# Altium PCB IPG.PcbDoc (part 4 of 10) (continued)
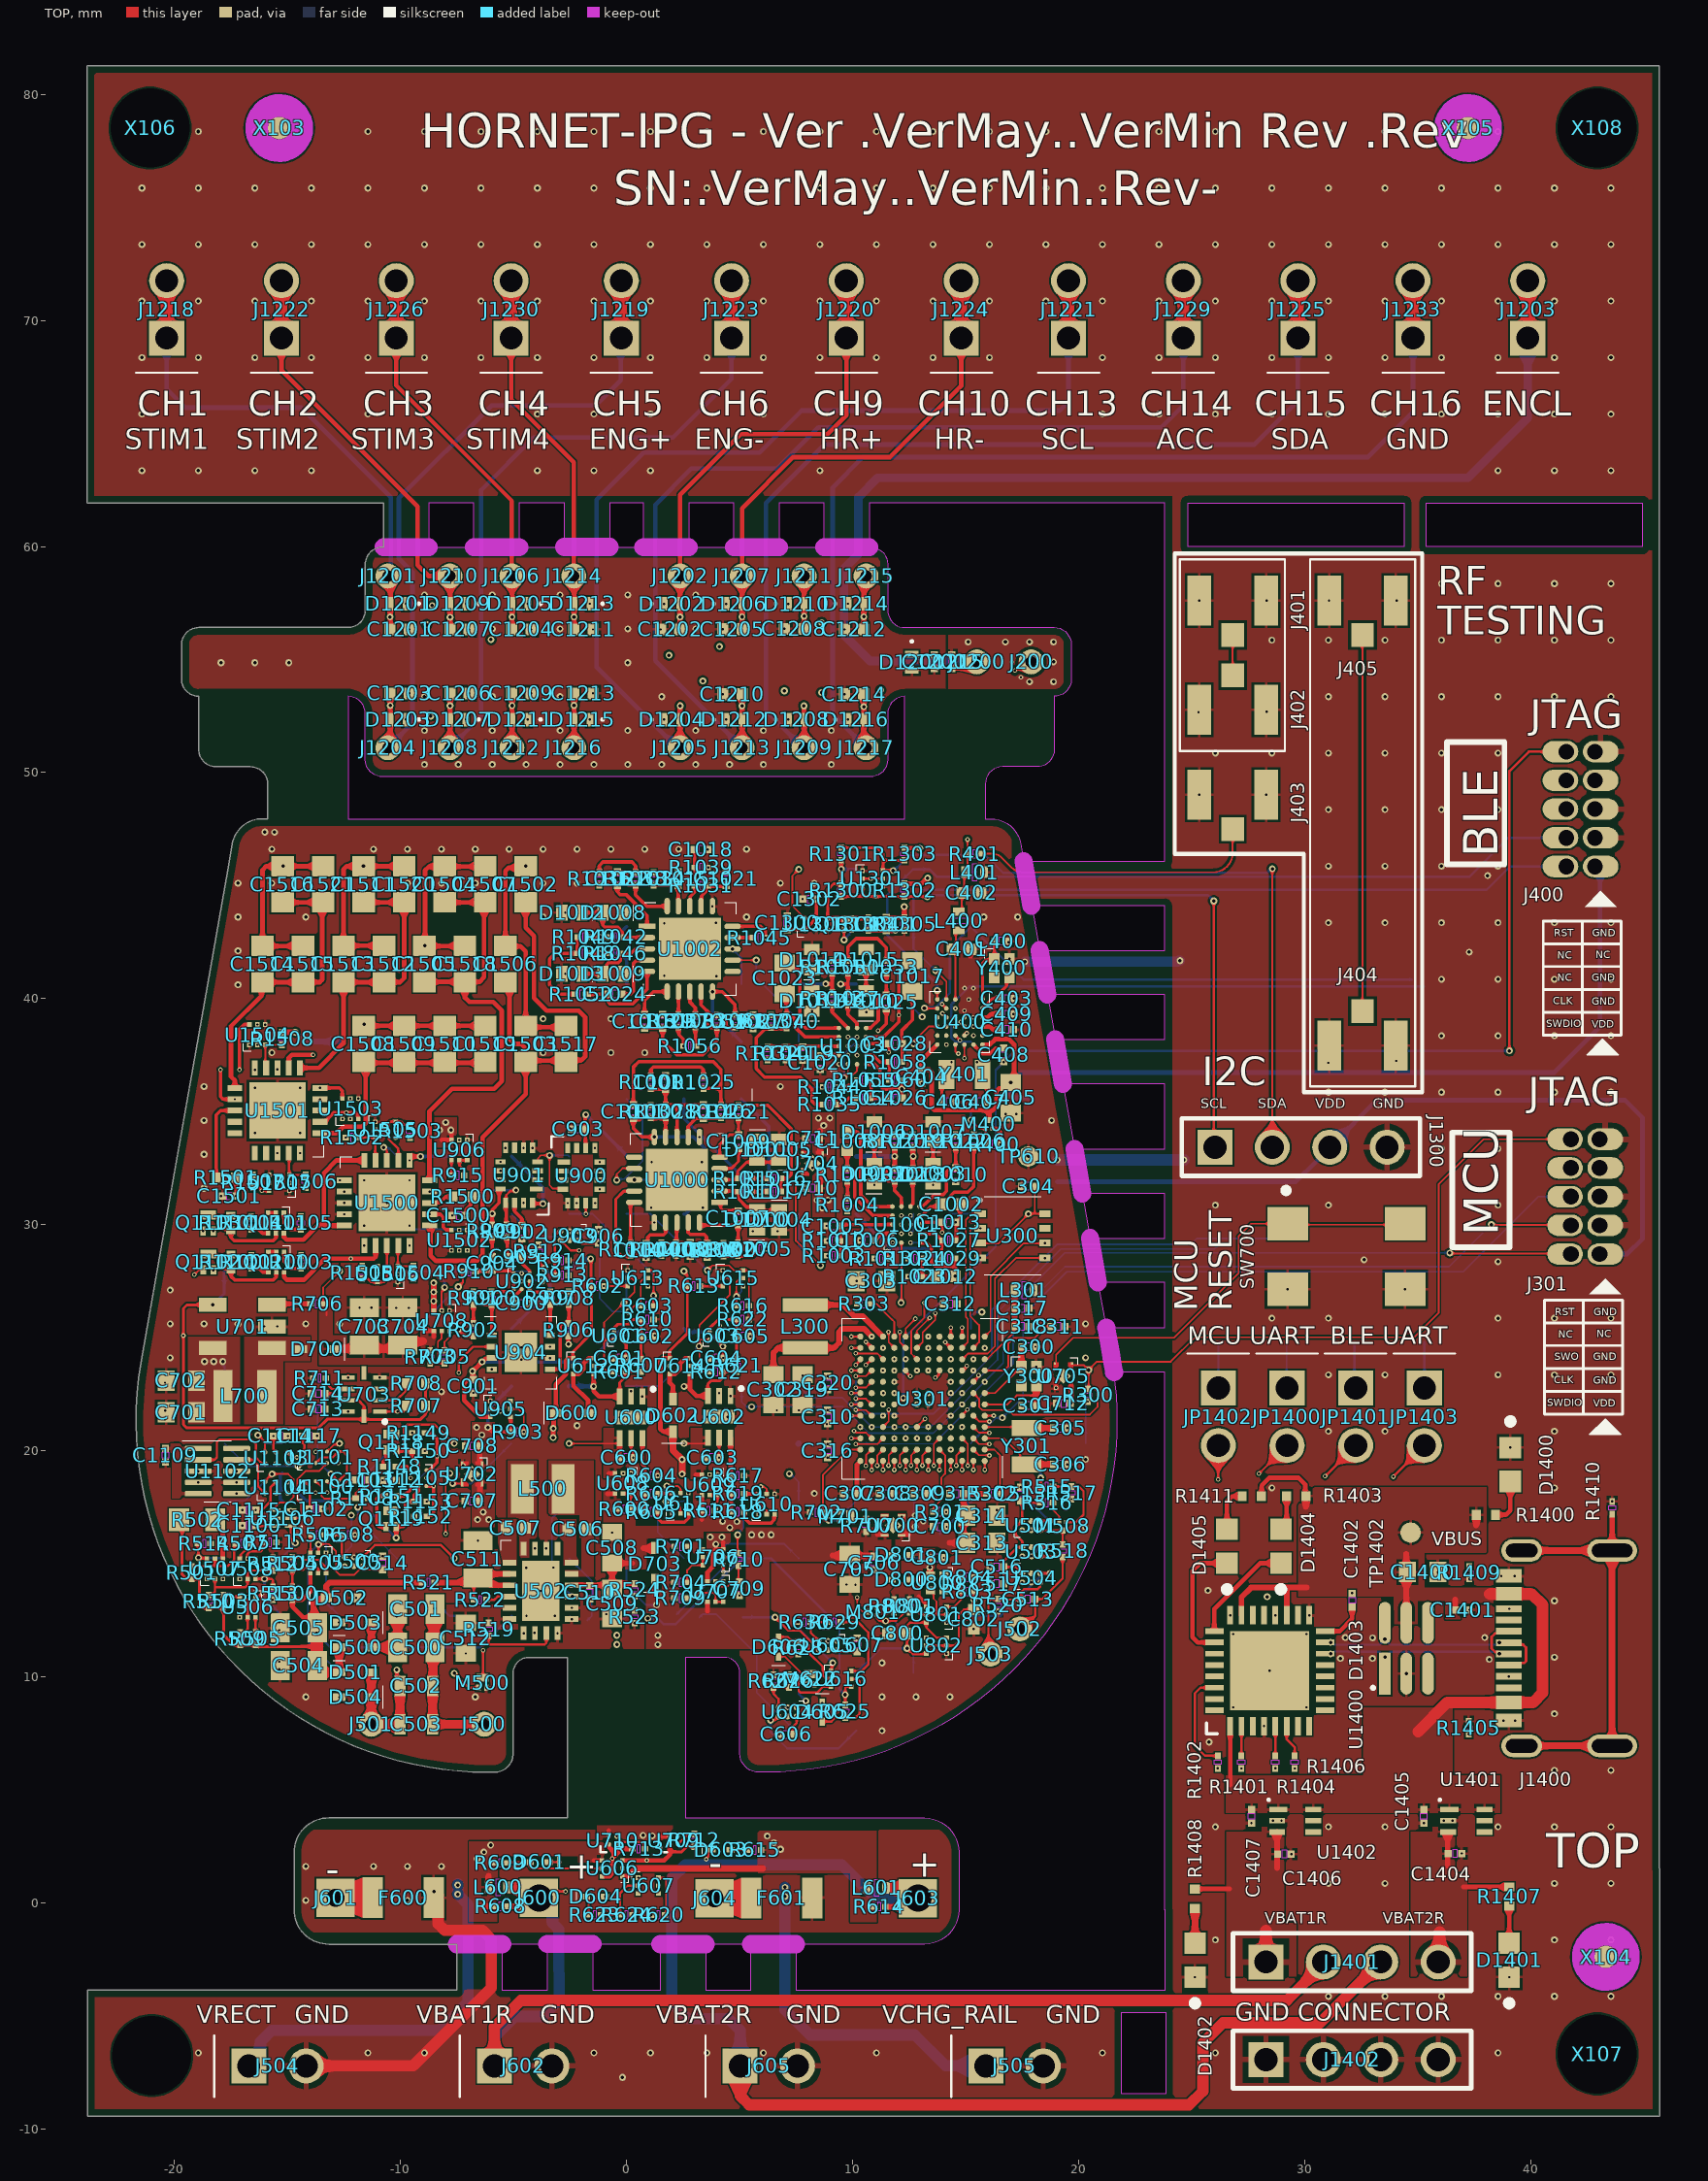
[diagram p0: TOP view]
## Nets (pads, with @x,y where several pads share a name; then routed paths per layer and width w, separated by ;. In a path a pad name is that pad's centre, name@x,y a point inside that pad or via, vN(x,y) a via of type N, cw(c..) or ccw(c..) an arc to the next point about the centre after c; other vN are vias at no path point) (continued)
  TOP w0.254: -6.493,17.515 -6.493,18.545 ; 1.291,13.61 D703.1@1.291,14.035 ; 8.569,31.218 8.569,32.248 ; 9.111,15.365 C706.2@10.936,15.365 ; 11.123,16.32 11.377,16.32
  POWER w0.5: v11@0.817,3.019 v11@1.174,3.019 ; v11@1.194,3.039 1.2,3.039 1.382,3.221 v11@1.382,11.419 ; v11@1.381,11.83 1.382,11.829 v11@1.382,11.43
  AVERT w0.102: v7@7.261,20.011 v8@7.261,20.312
  AHOR w0.102: v8(7.264,20.315) v12@7.572,20.316
  BOT w0.076: TP702.1@0,15.24 0,14.046 0.871,13.175 v6(1.328,13.175)
  BOT w0.254: TP706.1@7.603,20.303 TP706.1@7.62,20.32
  other v7: 7.268,19.985
  other v11: 1.138,2.963 0.733,2.982 1.384,11.421 1.384,11.83 5.537,16.281 5.969,16.281 6.4,16.281 -6.591,16.952 -6.092,16.952 -6.341,17.287 8.661,30.75 8.433,31.085 8.918,31.092
  other v12: 7.573,20.316
+VBAT1CHG: R601.1 R607.2 TP601.1 U600.3 U612.4 | length 5
  TOP w0.127: U600.3@-0.3,22.4 -0.3,23.017 -0.05,23.267 R601.1@-0.05,23.495 R607.2@0.635,23.494
  TOP w0.203: U612.4@-1.455,23.399 v6(-1.455,22.843) -1.455,22.639 -1.216,22.4 U600.3@-0.3,22.4
  BOT w0.203: TP601.1@-2.54,22.86 -2.532,22.852 -1.463,22.852 v6(-1.455,22.843)
+VBAT1F: D600.1 D800.2 L600.2 R602.1 R608.2 R609.1 TP604.1 U606.4 U612.1 | length 50.3
  TOP w0.127: U612.1@-2.355,24.099 -2.373,24.117 -2.373,24.37 -1.555,25.189 R602.1@-1.555,27.285 -1.57,27.3 -1.57,28.474 v6(-1.585,28.489)
  TOP w0.203: v6@-3.264,21.014 -3.248,21.014 -3.224,21.038 -3.224,21.593 -3.151,21.666 D600.1@-3.128,21.666 ; v6@-3.246,20.606 -3.245,20.607 v6(-3.243,20.991) v6(-3.243,20.991) ; D600.1@-3.128,21.608 D600.1@-3.128,21.666 ; U612.1@-2.355,24.099 -2.561,24.099 -2.68,23.98 -2.68,23.388 -3.128,22.94 D600.1@-3.128,21.666 ; -1.44,1.876 U606.4@-1.11,1.876
  TOP w0.254: -6.404,-0.152 R608.2@-5.897,-0.152 ; L600.2@-6.105,0.686 -6.105,1.193
  DVERT w0.102: v2(12.037,14.283) 12.041,14.278 12.041,13.977 v3@12.047,13.971
  POWER w0.5: v11(-6.604,1.956) -5.791,2.769 -2.637,2.769 -1.99,3.415 v7(-1.99,11.457) v7@-1.99,11.899 ; v7@-1.991,11.899 v7(-1.991,11.918)
  AVERT w0.102: v8(12.026,14.64) 12.034,14.633 12.034,13.954 v3(12.042,13.946)
  AVERT w0.203: v6@-3.251,20.523 -3.246,20.529 v6(-3.246,20.579)
  AVERT w0.5: v6@-3.251,20.523 -3.251,17.604 -1.136,15.488 v8(-1.136,14.636) -1.136,12.773 v7(-1.991,11.918) v7@-1.991,11.498 ; v6(-3.246,20.579) v6@-3.246,21.002
  DHOR w0.102: v1(11.732,14.279) 11.734,14.281 12.034,14.281 v2(12.037,14.283)
  AHOR w0.102: v8(-1.136,14.636) v8@-1.133,14.638 ; v8@12.024,14.638 v8(12.026,14.64)
  AHOR w0.152: v8@-1.133,14.638 v8@12.024,14.638
  BOT w0.203: TP604.1@-2.54,27.94 -2.001,28.479 -1.594,28.479 v6(-1.585,28.489) v6@-1.575,28.499
  other v11: -6.311,2.248 -6.009,2.551
+VBAT1R: J600.1 J602.1 J1401.2 L600.1 R608.1 TP603.1 | length 67.1
  TOP w0.102: J600.1@-3.875,0.221 -3.512,0.584 -3.437,0.509 v1(-2.693,0.509)
  TOP w0.254: R608.1@-5.271,-0.152 J600.1@-4.388,-0.152
  TOP w0.5: J602.1@-5.842,-7.214 -5.842,-5.486 -4.674,-4.318 29.215,-4.318 30.836,-2.697 J1401.2@30.836,-2.616 ; L600.1@-5.168,0.683 J600.1@-4.215,0.683
  DVERT w0.102: v2(-2.388,0.505) -2.388,2.285 -2.237,2.436 v7(-2.237,2.491)
  GND 2 w0.076: v3(-2.489,12.548) -2.448,12.548 -2.238,12.337 -1.817,12.337 -1.534,12.055 -1.534,10.858 -1.534,3.759 -1.534,3.154 -2.197,2.491 v7(-2.237,2.491)
  AVERT w0.076: v8(-3.013,12.566) -3.003,12.557 -2.499,12.557 v3(-2.489,12.548)
  DHOR w0.102: v1(-2.693,0.509) v1(-2.693,0.509) -2.392,0.507 v2@-2.39,0.505
  AHOR w0.076: v8(-3.013,12.566) -3.006,12.56 -2.533,12.56 v12(-2.526,12.554)
  BOT w0.076: v12(-2.526,12.554) -2.526,12.663 TP603.1@-2.506,12.683
  BOT w0.5: J602.1@-5.842,-7.214 -5.842,-5.944 -4.928,-5.029 -3.713,-5.029 -2.976,-4.292 -2.993,-1.83 -2.993,-1.829 -2.998,-1.168 -3.2,-0.965 -3.275,-0.891 -3.275,-0.379 J600.1@-3.875,0.221
+VBAT1SW: R625.1 R712.2 TP605.1 U606.3 U616.4 U709.A1 | length 30.9
  TOP w0.102: R625.1@9.677,8.755 v6(9.677,9.206) 9.677,9.503 9.737,9.562 U616.4@9.95,9.562
  TOP w0.127: 1.908,2.258 2.441,2.258 2.671,2.489 R712.2@2.997,2.489
  TOP w0.203: U606.3@-0.185,1.874 1.671,1.874 1.908,2.111 1.908,2.258 U709.A1@1.908,2.591
  DVERT w0.102: v7(1.029,2.539) 1.029,2.484 1.203,2.311 v2(1.203,1.872)
  GND 2 w0.102: v6(0.942,12.581) 0.693,12.331 0.693,10.858 0.693,3.759 0.693,3.406 0.403,3.116 0.403,2.763 0.589,2.577 0.992,2.577 v7(1.029,2.539)
  DHOR w0.102: v1(0.898,1.876) 0.9,1.874 v2@1.199,1.874
  BOT w0.102: v6(0.942,12.581) 1.394,12.581 1.649,12.326 2.166,12.326 TP605.1@5.08,15.24 6.401,15.24 9.423,12.217 9.423,9.46 v6(9.677,9.206)
+VBAT2CHG: R612.1 R621.2 TP619.1 U602.3 U614.4 | length 4.1
  TOP w0.076: R621.2@4.88,23.495 R621.2@4.883,23.498
  TOP w0.127: U602.3@3.6,22.425 3.6,22.955 3.734,23.089 4.123,23.089 4.242,23.208 R612.1@4.242,23.495 R621.2@4.88,23.495
  TOP w0.203: v6(2.544,22.848) 2.562,22.866 2.812,22.866 ; U614.4@2.812,23.392 2.812,22.866 ; U602.3@3.6,22.425 3.091,22.425 2.812,22.704 2.812,22.866
+VBAT2F: D602.1 D801.2 L601.2 R613.1 R614.2 R615.1 TP621.1 U606.1 U614.1 | length 49.5
  TOP w0.127: U614.1@1.912,24.099 1.9,24.112 1.9,24.404 2.692,25.196 2.692,27.748 2.543,27.897 v6(2.543,27.945)
  TOP w0.203: U606.1@-0.185,1.174 0.053,1.174 0.403,1.524 ; U614.1@1.912,24.099 1.618,24.099 1.499,23.98 1.499,20.969 1.618,20.85 D602.1@2.057,20.85
  TOP w0.3: D602.1@2.057,20.85 2.057,20.015 v6(2.464,19.609) v6(2.464,18.974)
  TOP w0.305: 0.403,1.524 6.02,1.524
  DVERT w0.102: v2@11.5,15.392 11.5,15.051 v3@11.504,15.046
  POWER w0.5: v7(1.988,11.916) v7(1.988,11.464) 1.987,11.463 1.987,3.489 2.384,3.092 6.09,3.092 v6(6.229,2.953) 6.502,2.68 v6@6.775,2.407
  AVERT w0.102: v3(11.499,15.021) 11.501,15.023 11.501,15.575 v8(11.503,15.577)
  AVERT w0.5: v7@1.988,11.493 v7(1.988,11.916) 1.991,11.919 v8(1.991,15.682) 2.464,16.155 v6(2.464,19.609)
  DHOR w0.102: v2(11.5,15.392) v1(11.808,15.392)
  AHOR w0.152: v8(1.991,15.682) 3.638,15.682 3.778,15.542 11.454,15.542 11.489,15.577 v8(11.503,15.577)
  other v6: 6.815,2.367 6.522,2.66
+VBAT2R: J603.1 J605.1 J1401.3 L601.1 R614.1 TP620.1 | length 74.3
  TOP w0.254: R614.1@11.502,-0.17 J603.1@12.385,-0.17
  TOP w0.5: J605.1@5.029,-7.214 5.029,-8.534 5.43,-8.935 24.898,-8.935 25.502,-8.331 25.502,-6.198 26.391,-5.309 30.683,-5.309 J1401.3@33.376,-2.616 ; L601.1@11.605,0.665 J603.1@12.558,0.665
  GND 2 w0.127: v3(1.459,12.679) 1.459,12.647 0.883,12.071 0.883,10.858 0.883,3.759 0.883,3.348 0.958,3.273 1.266,3.273 1.496,3.044 v7(1.496,2.593)
  AVERT w0.127: v8(1.135,2.227) 1.135,2.229 1.496,2.59 v7(1.496,2.593) ; v8(1.318,12.326) 1.332,12.34 1.332,12.504 1.459,12.631 v3(1.459,12.679)
  AHOR w0.127: v12(-0.186,12.942) -0.408,12.719 -0.408,12.48 -0.174,12.247 1.218,12.247 1.297,12.326 v8(1.318,12.326) ; v8(1.135,2.227) 1.145,2.217 1.535,2.217 2.007,1.746 v12(2.007,0.712)
  BOT w0.127: TP620.1@-0.11,12.59 TP620.1@0,12.7
  BOT w0.5: J605.1@5.029,-7.214 5.029,-5.639 4.521,-5.131 2.718,-5.131 2.007,-4.42 2.007,-1.829 v12(2.007,0.712) 2.007,1.092 2.603,1.688 9.53,1.688 10.984,0.235 12.867,0.235 J603.1@12.898,0.203
+VBAT2SW: R628.1 R713.2 TP622.1 U606.6 U616.1 U710.A1 | length 30.8
  TOP w0.102: U616.1@9.05,10.262 9.099,10.312 9.088,10.312 9.088,10.578 v6(9.126,10.616)
  TOP w0.203: U606.6@-1.085,1.174 -0.754,1.173 -0.635,1.292 v1(-0.635,1.961) -0.452,2.145 ; U710.A1@-0.782,2.591 -0.782,2.475 -0.452,2.145 ; R713.2@0.26,2.388 -0.209,2.388 -0.452,2.145
  DVERT w0.102: v2(-0.33,1.957) -0.33,1.963 -0.153,2.14 -0.153,2.25 v7(-0.114,2.289)
  GND 2 w0.102: v3(-0.262,12.334) -0.226,12.298 -0.226,12.111 -0.114,11.999 v7(-0.114,2.289)
  AVERT w0.102: v3(-0.262,12.334) -0.262,12.389 -0.075,12.577 -0.075,12.625 v8(-0.055,12.645) ; v6(9.126,10.616) 9.163,10.653 9.163,13.15 v8(9.169,13.157)
  DHOR w0.102: v1(-0.635,1.961) -0.633,1.959 v2@-0.333,1.959 ; v1(7.597,11.003) 7.991,10.609 9.118,10.609 v6(9.126,10.616)
  AHOR w0.102: v8(-0.055,12.645) 0.418,12.645 0.651,12.878 1.507,12.878 1.659,13.029 9.042,13.029 v8(9.169,13.157)
  BOT w0.102: TP622.1@7.62,12.7 7.7,12.62 7.7,12.043 v6(9.126,10.616)
+VBUS: C1400.1 C1401.2 C1405.2 C1407.2 D1403.5 J1400.A4 J1400.A9 R1400.1 R1403.2 R1411.2 TP1402.1 U1400.1 U1400.19 U1400.23 U1401.1 U1401.6 U1402.1 U1402.6 | length 28.1
  TOP w0.2: 26.711,5.217 U1400.1@26.711,7.819 ; R1411.2@28.092,17.988 28.105,18.001 28.105,18.479 28.428,18.801 29.743,18.801 30.031,18.513 30.031,18.017 R1403.2@30.06,17.988
  TOP w0.254: U1400.23@27.211,12.721 27.211,13.52 27.635,13.945 29.211,13.945 ; U1400.19@29.211,12.721 29.211,13.91 29.245,13.945 30.099,13.945 ; 30.06,17.514 R1403.2@30.06,17.988 ; D1403.5@34.506,12.388 34.506,15.443 ; C1401.2@36.673,12.938 36.673,13.411 ; 37.599,16.697 R1400.1@37.599,17.17
  TOP w0.508: 35.027,7.569 36.322,8.865 38.633,8.865 38.684,8.814 38.687,8.817 38.991,8.817 J1400.A4@39.037,8.863 40.105,8.863 40.538,9.296 40.538,13.183 40.058,13.663 J1400.A9@39.037,13.663 38.181,13.663
+VCARR: C500.2 C501.2 D500.2 D503.1 TP501.1 | length 4
  TOP w0.33: D503.1@-11.285,12.4 D500.2@-11.285,11.3 C500.2@-10.125,11.3 C501.2@-10.125,13
  other v6: -10.16,12.7
+VCHG_RAIL: C508.1 C509.1 C510.2 C601.2 C604.2 D703.2 J505.1 R524.1 R600.1 R611.1 TP510.1 U502.14 U601.B1 U603.B1 U608.4 U609.4 | length 51.1
  TOP w0.152: U601.B1@-0.202,24.912 -0.202,24.9 -0.005,24.703 v1(-0.005,24.105) ; U603.B1@4.031,24.912 4.031,24.9 4.237,24.693 4.237,24.645 v11(4.266,24.616) ; v11@4.269,24.661 4.275,24.655 4.275,24.113 v1(4.283,24.105)
  TOP w0.203: -0.838,18.1 U608.4@-0.503,18.1 ; 3.333,16.954 3.333,17.941
  TOP w0.229: U502.14@-2.425,14.05 -2.414,14.061 -0.636,14.061 C508.1@-0.636,15.029 0.272,15.029 ; C509.1@-0.258,14.125 R524.1@0.356,14.125 ; D703.2@1.211,15.655 D703.2@1.257,15.701
  TOP w0.254: 0.752,15.684 D703.2@1.177,15.684
  DVERT w0.102: v7(0.3,23.778) v2(0.3,24.109) ; v7(4.588,23.778) v2(4.588,24.109)
  POWER w0.5: v7@0.202,11.427 0.202,10.858 0.202,3.759 0.202,2.721 0.527,2.395 0.527,1.987 0.994,1.521 6.536,1.521 7.006,1.051 7.006,0.277 v11@7.006,0.203 ; v7@0.203,11.438 v7@0.203,11.838
  AVERT w0.5: v7@0.206,11.494 v7(0.206,11.839) 0.415,12.049 0.415,14.512 0.965,15.062 v7(0.965,17.526) v7(0.965,18.003)
  DHOR w0.102: v1(-0.005,24.105) -0.003,24.107 0.297,24.107 v2(0.3,24.109) ; v1(4.283,24.105) 4.285,24.107 4.585,24.107 v2@4.587,24.109
  BOT w0.152: TP510.1@2.54,25.4 2.68,25.26 3.623,25.26 v11(4.266,24.616)
  BOT w0.5: v11(7.01,0.686) 7.01,-4.724 8.128,-5.842 12.751,-5.842 14.122,-7.214 J505.1@15.9,-7.214
  other v7: 0.206,11.43
  other v11: 7.01,0.277 4.569,16.596 4.888,16.87 4.25,16.881
+VDD_BLE: C404.2 C405.1 J400.1 M400.3 TP401.1 U400.A6 U400.G6 | length 47.6
  TOP w0.1: M400.3@16.034,34.621 M400.3@16.034,34.674
  TOP w0.203: U400.G6@13.752,37.968 13.054,37.269 13.054,36.857 C404.2@13.053,36.856 13.392,36.856 13.505,36.743 13.505,35.185 13.624,35.066 16.034,35.066 ; U400.A6@15.753,37.968 16.073,37.968 16.315,38.21 16.93,38.21 17.148,37.992 17.148,36.439 v6(17,36.292) 16.727,36.018 16.483,36.018 16.364,35.899 16.364,35.215 16.215,35.066 16.034,35.066 ; M400.3@16.034,34.621 16.034,35.066
  BOT w0.203: TP401.1@17.78,35.56 17.74,35.6 17.159,35.6 17,35.759 v6(17,36.292) 17.437,36.728 18.72,36.728 ; 18.93,36.728 18.72,36.728 ; J400.1@42.85,45.847 43.078,45.618 43.078,38.76 41.046,36.728 19.28,36.728 18.72,36.728
+VDDA: C711.2 C1004.2 C1006.2 C1020.2 C1021.1 D1000.1 D1001.1 D1002.1 D1003.1 D1008.1 D1009.1 D1010.1 D1011.1 R1000.1 R1003.1 R1013.2 R1014.2 R1031.2 R1032.1 R1044.2 R1045.2 TP711.1 U704.1 U1000.15 U1000.17 U1001.A2 U1001.B3 U1002.15 U1002.17 U1003.A2 U1003.B3 | length 24.1
  TOP w0.152: v1(0.178,29.185) 0.178,30.946 0.218,30.987 U1000.15@0.342,30.987 ; v1(0.868,29.215) 0.918,29.215 0.947,29.244 0.947,29.454 1.037,29.543 1.643,29.543 1.732,29.632 U1000.17@1.732,30.096 ; C1004.2@0.893,29.19 0.893,29.183 0.947,29.129 1.087,29.129 1.199,29.017 1.199,28.772 1.288,28.683 1.501,28.683 1.549,28.634 R1000.1@1.549,28.631 ; U1002.17@3.3,44.091 3.317,44.107 3.317,44.54 3.534,44.758 3.534,44.954 R1031.2@3.58,45 3.607,44.973 v1(4.373,44.973) C1021.1@4.4,45 ; U1002.15@4.691,43.2 5.94,43.2 6.156,42.984 v1(6.156,42.7)
  TOP w0.203: C1020.2@8.572,37.5 U1003.A2@9.4,37.5 ; C1006.2@10.997,29.304 10.997,29.339 11.262,29.604 U1001.A2@11.767,29.604
  TOP w0.254: 8.567,33.137 8.567,34.167
  DVERT w0.102: v7(-0.127,28.858) v2(-0.127,29.189) ; v7(0.155,40.773) v2(0.155,41.104) ; v7(0.155,43.473) v2(0.155,43.804) ; v7(0.563,28.888) v2(0.563,29.219) ; v2(4.678,44.969) v7(4.678,45.299) ; v2(5.278,29.706) v7(5.278,30.037) ; v2(5.851,42.696) v7(5.851,43.027) ; v2(5.938,37.291) v7(5.938,37.622) ; v2(7.899,39.446) v7(7.899,39.777) ; v2(8.362,36.07) v7(8.362,36.401) ; v7@8.581,28.94 8.587,28.935 8.888,28.935 v2(8.893,28.929) ; v2(10.304,39.4) v7(10.304,39.731) ; v7(10.662,31.427) v2(10.662,31.758) ; v7@10.674,28.814 10.679,28.808 10.679,28.507 v2(10.685,28.502) ; v7(13.262,31.427) v2(13.262,31.758)
  DVERT w0.203: v2(8.259,37.519) v7(8.259,37.849) ; v7(9.499,37.573) v2(9.499,37.904) ; v2(10.705,29.297) v7(10.705,29.628) ; v2(11.862,30) v7(11.862,30.331)
  DHOR w0.102: v1(-0.15,41.1) -0.148,41.102 0.152,41.102 v2(0.155,41.104) ; v1(-0.15,43.8) -0.148,43.802 0.152,43.802 v2(0.155,43.804) ; v2@-0.126,29.189 -0.124,29.187 0.176,29.187 v1(0.178,29.185) ; v2(0.563,29.219) 0.567,29.217 0.866,29.217 v1(0.868,29.215) ; v1(4.373,44.973) 4.375,44.971 4.674,44.971 v2@4.676,44.969 ; v2@5.28,29.706 5.282,29.708 5.581,29.708 v1(5.583,29.71) ; v2(5.851,42.696) 5.854,42.698 6.154,42.698 v1(6.156,42.7) ; v2(5.938,37.291) 5.941,37.293 6.241,37.293 v1(6.243,37.295) ; v2(7.899,39.446) 7.902,39.448 8.202,39.448 v1(8.204,39.45) ; v2@8.363,36.07 8.365,36.072 8.665,36.072 v1(8.667,36.074) ; v1@8.889,28.626 8.891,28.628 8.891,28.927 v2(8.893,28.929) ; v2(10.304,39.4) 10.307,39.402 10.607,39.402 v1(10.609,39.404) ; v2(10.662,31.758) 10.665,31.756 10.965,31.756 v1(10.967,31.754) ; v2(10.685,28.502) 10.687,28.504 10.987,28.504 v1@10.989,28.506 ; v2@13.263,31.758 13.265,31.756 v1(13.567,31.754) v1(13.567,31.754)
  DHOR w0.203: v2(8.259,37.519) 8.263,37.521 8.562,37.521 v1(8.564,37.522) ; v2(9.499,37.904) 9.502,37.902 9.802,37.902 v1(9.804,37.9) ; v2(10.705,29.297) 10.709,29.299 11.008,29.299 v1(11.01,29.301) ; v2@11.863,30 11.865,30.002 12.165,30.002 v1(12.167,30.004)
  BOT w0.152: TP711.1@5.08,33.02 5.126,33.02 v11(5.775,33.668)
  other v1: 10.99,28.506 8.889,28.624
  other v7: 10.669,28.834 8.561,28.945
  other v11: 8.726,34.387 8.497,34.722 8.996,34.722
+VDDS: C708.2 C1100.2 C1102.2 C1109.2 C1112.2 C1114.2 C1115.2 C1117.2 R903.1 R1108.1 TP709.1 U702.1 U905.4 U1100.8 U1101.8 U1102.1 U1102.5 U1103.5 U1104.5 U1105.C2 U1106.6 | length 16.5
  TOP w0.1: U702.1@-6.405,19.476 -6.389,19.46 U702.1@-6.389,19.349
  TOP w0.102: v14(-16.405,16.695) -16.378,16.668 U1106.6@-15.559,16.668 ; C1115.2@-16.403,17.374 -16.129,17.374 -15.757,17.747 -15.757,18.369 U1104.5@-15.499,18.627 ; U1103.5@-15.5,19.931 -15.626,20.057 C1114.2@-15.626,20.651 ; v14(-14.334,20.674) -14.334,20.342 -14.25,20.258 U1101.8@-14.25,19.956 ; U1100.8@-14.25,18.65 -14.011,18.411 -14.011,17.452 v14(-14.035,17.428) ; C1114.2@-15.626,20.651 v14(-15.625,20.65)
  TOP w0.152: v11(-6.131,21.031) -5.94,20.84 R903.1@-5.118,20.84 ; U905.4@-5.131,21.5 -5.118,21.487 R903.1@-5.118,20.84 ; R903.1@-5.106,20.828 R903.1@-5.118,20.84
  TOP w0.254: -6.496,19.435 -6.496,20.465
  DVERT w0.102: v13(-20.703,20.098) v7(-20.703,20.429) ; v7(-16.103,17.031) -16.101,17.029 -16.101,16.701 v13(-16.1,16.699) ; v13(-16.1,17.372) v7(-16.1,17.703) ; v7(-15.93,20.323) v13(-15.93,20.654) ; v7(-14.64,20.347) v13(-14.64,20.678) ; v7(-14.34,17.101) v13(-14.34,17.432) ; v13(-11.705,17.911) v7(-11.705,18.242) ; v7(-10.47,18.343) v13(-10.47,18.674) ; v13(-9.857,18.785) v7(-9.857,19.116)
  DHOR w0.102: v13@-20.702,20.098 -20.7,20.1 -20.4,20.1 v14(-20.398,20.102) ; v14(-16.405,16.695) -16.403,16.697 -16.103,16.697 v13@-16.101,16.699 ; v14(-16.405,17.376) -16.403,17.374 -16.103,17.374 v13@-16.101,17.372 ; v13(-15.93,20.654) -15.926,20.652 -15.627,20.652 v14(-15.625,20.65) ; v13(-14.64,20.678) -14.636,20.676 -14.336,20.676 v14(-14.334,20.674) ; v13(-14.34,17.432) -14.336,17.43 -14.037,17.43 v14(-14.035,17.428) ; v13@-11.703,17.911 -11.701,17.913 -11.402,17.913 v14(-11.4,17.915) ; v13@-10.468,18.674 -10.466,18.672 -10.167,18.672 v14(-10.165,18.67) ; v13@-9.856,18.785 -9.854,18.787 v14(-9.552,18.789) v14(-9.552,18.789)
  BOT w0.152: v11@-6.131,21.006 -6.131,21.809 TP709.1@-5.08,22.86
  other v11: -6.401,20.696 -6.629,21.031
+VGND1R: F600.1 J601.1 TP608.1 | length 29.6
  TOP w1: J601.1@-12.879,0.221 F600.1@-11.406,0.221
  GND 2 w0.076: J601.1@-12.879,0.221 -12.879,1.929 -11.847,2.961 -1.96,2.961 -1.687,3.234 -1.687,11.992 -1.88,12.185 -2.113,12.185 -2.174,12.124 v3(-2.469,12.124)
  AVERT w0.076: v8(-2.925,12.225) -2.891,12.225 -2.79,12.124 v3(-2.469,12.124)
  AHOR w0.076: v8(-2.925,12.225) -1.977,12.225 -1.727,12.475 v12(-1.727,12.497)
  BOT w0.076: TP608.1@-2.533,15.233 -1.538,14.238 -1.538,12.686 v12(-1.727,12.497)
+VGND2R: F601.1 J604.1 TP624.1 | length 24.1
  TOP w1: J604.1@3.894,0.203 F601.1@5.367,0.203
  GND 2 w0.076: v3(2.516,11.916) 2.241,12.191 1.887,12.191 1.683,11.988 1.683,3.423 1.872,3.234 2.233,3.234 3.894,1.573 J604.1@3.894,0.203
  AVERT w0.076: v3(2.516,11.916) 2.818,12.217 v8(3.048,12.217)
  AHOR w0.076: v8(3.048,12.217) 3.226,12.395 v12(3.226,12.624)
  BOT w0.076: v12(3.226,12.624) 3.379,12.776 3.955,12.776 5.758,10.974 5.758,9.313 7.45,7.62 TP624.1@7.62,7.62
+VIMP_3V3: C900.2 C901.2 C906.2 R913.2 TP901.1 U902.C2 U903.A2 U904.3 U905.3 | length 14.8
  TOP w0.152: v1(-5.002,26.522) -4.962,26.561 -4.962,26.823 U902.C2@-4.638,27.147 ; U903.A2@-2.115,29.312 -2.094,29.312 -1.972,29.189 v1(-1.245,29.189)
  TOP w0.203: v11@-6.782,23.552 -6.777,23.548 -6.393,23.932 v11(-6.391,23.932) -6.244,24.079 -5.982,24.079 U904.3@-5.959,24.102 ; C901.2@-6.779,23.163 -6.797,23.181 -6.797,23.5 v11(-6.812,23.516) v11@-6.778,23.516 ; C901.2@-6.778,23.164 -6.789,23.152 -7.02,23.152 -7.188,22.984 -7.188,22.225 -6.463,21.5 U905.3@-6.031,21.5
  DVERT w0.102: v2(-4.697,26.518) v7(-4.697,26.849) ; v2(-2.271,27.737) v7(-2.271,28.068) ; v7(-0.94,28.863) v2(-0.94,29.193)
  DHOR w0.102: v1(-5.002,26.522) -5,26.52 -4.7,26.52 v2@-4.698,26.518 ; v1(-2.576,27.741) -2.574,27.739 -2.275,27.739 v2@-2.273,27.737 ; v1(-1.245,29.189) -1.243,29.191 -0.943,29.191 v2(-0.94,29.193)
  BOT w0.152: v11(-6.391,23.932) -1.666,23.932 -0.198,25.4 TP901.1@0,25.4
+VIMP_PP: C902.2 C903.2 TP905.1 U900.14 U901.14 U906.3 | length 6.7
  TOP w0.152: U901.14@-4.953,30.963 -4.953,30.593 -4.628,30.267 -4.628,29.973 v1(-4.623,29.968) ; U900.14@-1.801,33.391 -1.817,33.407 -1.817,34.079 -1.834,34.096 C903.2@-1.834,34.239 -1.834,34.773 -1.83,34.776 -1.83,34.843 v11(-1.801,34.872)
  TOP w0.203: -8.157,33.749 U906.3@-7.745,33.749 v11@-7.745,34.161
  DVERT w0.102: v2(-4.318,29.964) v7(-4.318,30.295)
  DHOR w0.102: v1(-4.623,29.968) -4.621,29.966 -4.321,29.966 v2(-4.318,29.964)
  BOT w0.152: v11@-1.803,34.874 v11(-1.801,34.872) 0,33.071 TP905.1@0,33.02
  other v11: -8.271,34.188 -7.772,34.188 -8.001,34.523
+VMAGNET: C801.2 D800.1 D801.1 R800.1 R801.1 TP800.1 U800.2 U801.4 | length 4.9
  TOP w0.1: U800.2@13.441,14.483 U800.2@13.446,14.478
  TOP w0.203: 12.93,13.544 13.266,13.207 U801.4@13.266,13.101
  TOP w0.254: U800.2@13.419,14.499 13.432,14.512 13.432,14.828 v6(13.423,14.838) C801.2@13.423,15.278
  BOT w0.076: TP800.1@10.16,15.24 13.109,15.24 13.244,15.105 13.244,15.036 13.423,14.857 v6(13.423,14.838)
+VPP: C1500.2 C1501.2 R915.1 R1100.1 R1101.1 R1102.1 R1103.2 R1104.1 R1105.2 R1500.2 R1501.2 R1502.1 R1503.1 R1504.1 R1505.1 R1506.1 R1507.1 R1508.1 TP705.1 U708.3 U906.4 | length 15.9
  TOP w0.102: R915.1@-7.745,32.182 U906.4@-7.745,32.849 ; C1500.2@-7.115,30.404 v1(-7.073,30.404)
  TOP w0.152: R1501.2@-17.304,32.08 -17.284,32.06 v1(-17.284,31.265) ; C1500.2@-7.115,30.404 -7.087,30.432 -7.087,30.683 -6.892,30.878 -6.892,31.165 R1500.2@-6.815,31.242
  TOP w0.254: R1508.1@-15.238,38.51 v11(-14.656,38.51) ; v11@-8.534,27.33 -8.534,26.975 v11(-8.534,26.619) -8.529,26.614 U708.3@-8.529,26.163
  DVERT w0.102: v7(-17.205,30.072) v2(-17.205,30.403) ; v7(-17.196,28.348) v2(-17.196,28.679) ; v7(-16.979,30.939) v2(-16.979,31.269) ; v7(-16.305,30.027) v2(-16.305,30.358) ; v7(-16.296,28.303) v2(-16.296,28.634) ; v7(-16.23,31.873) v2(-16.23,32.204) ; v7(-14.105,30.027) v2(-14.105,30.358) ; v7(-14.096,28.303) v2(-14.096,28.634) ; v7(-13.896,31.313) v2(-13.896,31.644) ; v7(-12.118,33.529) v2(-12.118,33.86) ; v7(-11.388,27.835) v2(-11.388,28.166) ; v7(-9.273,33.529) v2(-9.273,33.86) ; v7(-9.128,27.275) v2(-9.128,27.606) ; v7(-7.442,31.852) v2(-7.442,32.183) ; v7(-7.378,30.077) v2(-7.378,30.408)
  DHOR w0.102: v1(-17.51,30.399) -17.508,30.401 -17.209,30.401 v2(-17.205,30.403) ; v1(-17.501,28.675) -17.499,28.677 -17.199,28.677 v2(-17.196,28.679) ; v1(-17.284,31.265) -17.282,31.267 -16.982,31.267 v2@-16.98,31.269 ; v1(-16.61,30.354) -16.608,30.356 -16.309,30.356 v2@-16.307,30.358 ; v1(-16.601,28.63) -16.599,28.632 -16.299,28.632 v2@-16.297,28.634 ; v1(-16.535,32.2) -16.533,32.202 -16.234,32.202 v2(-16.23,32.204) ; v1(-14.41,30.354) -14.408,30.356 -14.109,30.356 v2@-14.107,30.358 ; v1(-14.401,28.63) -14.399,28.632 -14.099,28.632 v2@-14.097,28.634 ; v1(-14.201,31.64) -14.199,31.642 -13.899,31.642 v2(-13.896,31.644) ; v1(-12.423,33.856) -12.421,33.858 -12.122,33.858 v2(-12.118,33.86) ; v1(-11.693,28.162) -11.691,28.164 -11.392,28.164 v2@-11.39,28.166 ; v1(-9.578,33.856) -9.576,33.858 -9.276,33.858 v2(-9.273,33.86) ; v1(-9.433,27.602) -9.431,27.604 -9.131,27.604 v2@-9.129,27.606 ; v1(-7.747,32.179) -7.745,32.181 -7.445,32.181 v2(-7.442,32.183) ; v2@-7.376,30.408 -7.374,30.406 -7.075,30.406 v1(-7.073,30.404)
  BOT w0.254: v11(-14.656,38.51) -14.246,38.1 TP705.1@-12.7,38.1
  other v11: -8.534,27.025 -8.534,27.43
+VRECT: C504.2 C505.2 D500.1 D501.1 D502.1 J504.1 R500.1 R501.1 R502.1 R503.1 R505.1 R509.1 R510.1 R521.1 TP502.1 U505.4 | length 83.6
  TOP w0.127: R502.1@-19.66,16.489 -19.66,14.532 -19.469,14.341 -19.238,14.341 R501.1@-19.228,14.331 -18.972,14.331 -18.898,14.256 -18.898,13.183 -18.77,13.056 R510.1@-18.491,13.055 -18.162,13.055 R503.1@-17.831,13.055 -17.831,11.861 -17.374,11.404 R509.1@-17.094,11.404 R505.1@-16.408,11.404 -16.408,11.399 -16.347,11.337 -13.675,11.337
  TOP w0.203: U505.4@-13.99,14.587 -13.99,13.772 -14.352,13.411 R500.1@-14.783,13.411 -14.783,13.1 -14.285,12.602 -13.998,12.602 C505.2@-13.948,12.552 ; C505.2@-13.948,12.265 C505.2@-13.948,12.552 ; C505.2@-13.948,12.465 C505.2@-13.948,12.552 ; C505.2@-13.794,12.286 C505.2@-13.675,12.167
  TOP w0.254: C505.2@-13.843,12.465 C505.2@-13.843,12.552 ; C505.2@-13.794,12.286 -13.843,12.335 C505.2@-13.843,12.552 ; R521.1@-9.043,14.173 -13.135,14.173 -13.284,14.024 D502.1@-13.284,13.487 -13.344,13.427 -13.694,13.427 -13.843,13.278 C505.2@-13.843,12.552
  TOP w0.33: C504.2@-13.675,10.5 -13.675,10.459 -13.415,10.2 -12.725,10.2 -12.715,10.21 D500.1@-12.715,11.3
  TOP w0.508: C504.2@-13.675,10.5 -13.675,11.337 -13.675,11.913 C505.2@-13.675,12.167
  POWER w0.5: v11(-7.468,0.79) -7.102,1.154 -5.987,1.154 -5.408,1.733 -1.366,1.733 -0.787,2.311 -0.782,2.311 -0.432,2.661 v11@-0.432,11.426 ; v11@-7.466,0.389 v11@-7.466,0.789 ; v11@-0.432,11.437 v11@-0.432,11.836
  AHOR w0.5: v6(-13.716,11.913) v6(-13.716,12.465) -13.716,12.598 -12.726,13.589 -5.488,13.589 -4.946,13.047 -1.639,13.047 v11(-0.429,11.838) v11@-0.429,11.501
  BOT w0.102: v6(-13.716,11.913) -13.103,11.3 -6.48,11.3 TP502.1@-5.08,12.7
  BOT w0.5: J504.1@-16.713,-7.214 -16.188,-6.689 -16.188,-6.128 -15.697,-5.637 -8.248,-5.637 -7.01,-4.399 -7.01,-1.829 -7.01,-0.076 v11(-7.468,0.381) v11(-7.468,0.79) v11@-7.468,0.838
  other v11: -0.429,11.429
ACC.SCL: J1300.1 R1300.2 R1302.1 U301.F10 U1301.3 | length 52.7
  TOP w0.102: v6(25.984,44.323) 25.984,33.481 J1300.1@26.035,33.43
  TOP w0.127: R1300.2@9.5,44.52 10.447,44.52 ; U1301.3@10.447,44.964 10.447,44.52 ; v1@11.026,44.52 10.447,44.52 ; v1(11.027,44.519) 12.3,44.52 13.29,44.52 v6(13.31,44.501)
  DVERT w0.076: v2(11.029,22.06) 11.676,22.06 11.85,22.234 11.85,25.698 12.433,26.282 12.433,26.918 12.161,27.19 12.161,30.703 11.339,31.525 11.339,36.324 11.566,36.551 11.566,36.73 11.439,36.856 11.339,36.956 v2(11.339,44.519)
  DHOR w0.076: v1(11.027,44.519) v2(11.339,44.519) ; v2(11.029,22.06) 11.034,22.055 11.343,22.055 v1@11.349,22.049
  BOT w0.102: v6@13.3,44.51 13.374,44.51 13.441,44.577 25.735,44.577 25.984,44.328 v6(25.984,44.323)
  BOT w0.127: v6@13.3,44.51 v6(13.31,44.501)
  other v1: 11.35,22.05
ACC.SDA: J1300.2 R1301.2 R1303.1 U301.F12 U1301.6 | length 67.4
  TOP w0.076: v1(9.951,22.05) U301.F12@10.35,22.05
  TOP w0.1: J1300.2@28.575,33.43 v11(28.575,45.745)
  TOP w0.127: v1(9.5,46.68) 11.08,46.68 11.347,46.413 11.347,46.12 ; v6(11.801,45.663) 11.795,45.669 11.352,45.669 U1301.6@11.347,45.664 11.347,46.12 ; R1303.1@12.3,46.12 11.347,46.12
  DVERT w0.076: v2(5.636,22.644) 5.636,24.272 5.302,24.607 5.302,25.912 5.735,26.345 5.735,28.453 5.474,28.714 5.474,29.596 5.554,29.677 5.554,32.461 5.477,32.539 5.477,35.021 5.737,35.281 5.737,37.187 5.656,37.267 5.656,41.354 5.443,41.568 5.443,43.164 5.74,43.461 5.74,46.007 v2(6.434,46.701)
  DHOR w0.076: v2(5.636,22.644) 8.208,22.644 8.491,22.927 8.98,22.927 9.833,22.074 9.926,22.074 v1(9.951,22.05) ; v2(6.434,46.701) 6.445,46.691 9.489,46.691 v1(9.5,46.68)
  BOT w0.1: v6@11.763,45.596 11.777,45.621 11.788,45.621 12.265,46.097 cw(c12.7,45.72) 12.323,46.155 12.522,46.355 15.875,46.355 16.662,45.568 28.342,45.568 28.52,45.745 v11(28.575,45.745)
ACC_EN: TP1300.1 U301.C7 U1300.6 | length 35.5
  TOP w0.076: v6(7.62,45.72) 7.341,45.441 7.341,44.109 U1300.6@7.9,43.55
  DVERT w0.076: v2(13.072,20.783) 13.072,21.552 12.921,21.703 12.921,23.742 13.835,24.656 13.835,25.8 13.835,26.296 13.985,26.446 13.985,37.668 13.985,37.736 14.518,38.27 14.518,39.72 14.614,39.816 14.614,40.055 14.461,40.208 13.959,40.71 13.959,45.95 v2(13.945,45.964)
  DHOR w0.076: v6(7.62,45.72) 7.925,46.025 11.108,46.025 11.169,45.964 v2(13.945,45.964) ; v1@12.857,20.557 12.857,20.563 13.07,20.776 v2@13.07,20.781
  other v1: 12.856,20.556
ACC_VDD: Q1300.3 R1300.1 R1301.1 R1304.1 TP1302.1 U1300.4 | length 5.5
  TOP w0.127: U1300.4@8.9,43.55 8.9,44.816 9.164,45.08 R1300.1@9.5,45.08 v6(9.5,45.735) R1301.1@9.5,46.12
  TOP w0.203: U1300.4@8.9,43.55 8.904,43.554 10.677,43.554 10.7,43.578 R1304.1@10.7,43.58
  BOT w0.127: v6(9.5,45.735) 9.5,45.72 9.507,45.727 10.153,45.727 TP1302.1@10.16,45.72
AMPL_RSTn: TP1112.1 U301.A2 U1100.3 | length 37.3
  TOP w0.076: U1100.3@-13.25,18.15 -13.25,18.148 v1(-13.246,18.152) ; v1(15.35,19.151) U301.A2@15.35,19.55
  DVERT w0.076: v6(-11.891,17.501) -11.37,16.98 v2(-11.37,15.406)
  DHOR w0.076: v1(-13.246,18.152) -13.026,17.932 -12.027,17.932 -11.891,17.796 v6(-11.891,17.501) ; v2(-11.37,15.406) -10.9,14.935 -7.423,14.935 -7.051,15.307 4.016,15.307 4.47,15.761 13.254,15.761 13.477,15.984 14.142,15.984 14.825,16.666 14.825,17.44 15.35,17.965 v1(15.35,19.151)
  BOT w0.076: v6(-11.891,17.501) -11.891,16.971 TP1112.1@-10.16,15.24